# KiCad board EBAZ4205.kicad_pcb (continued)
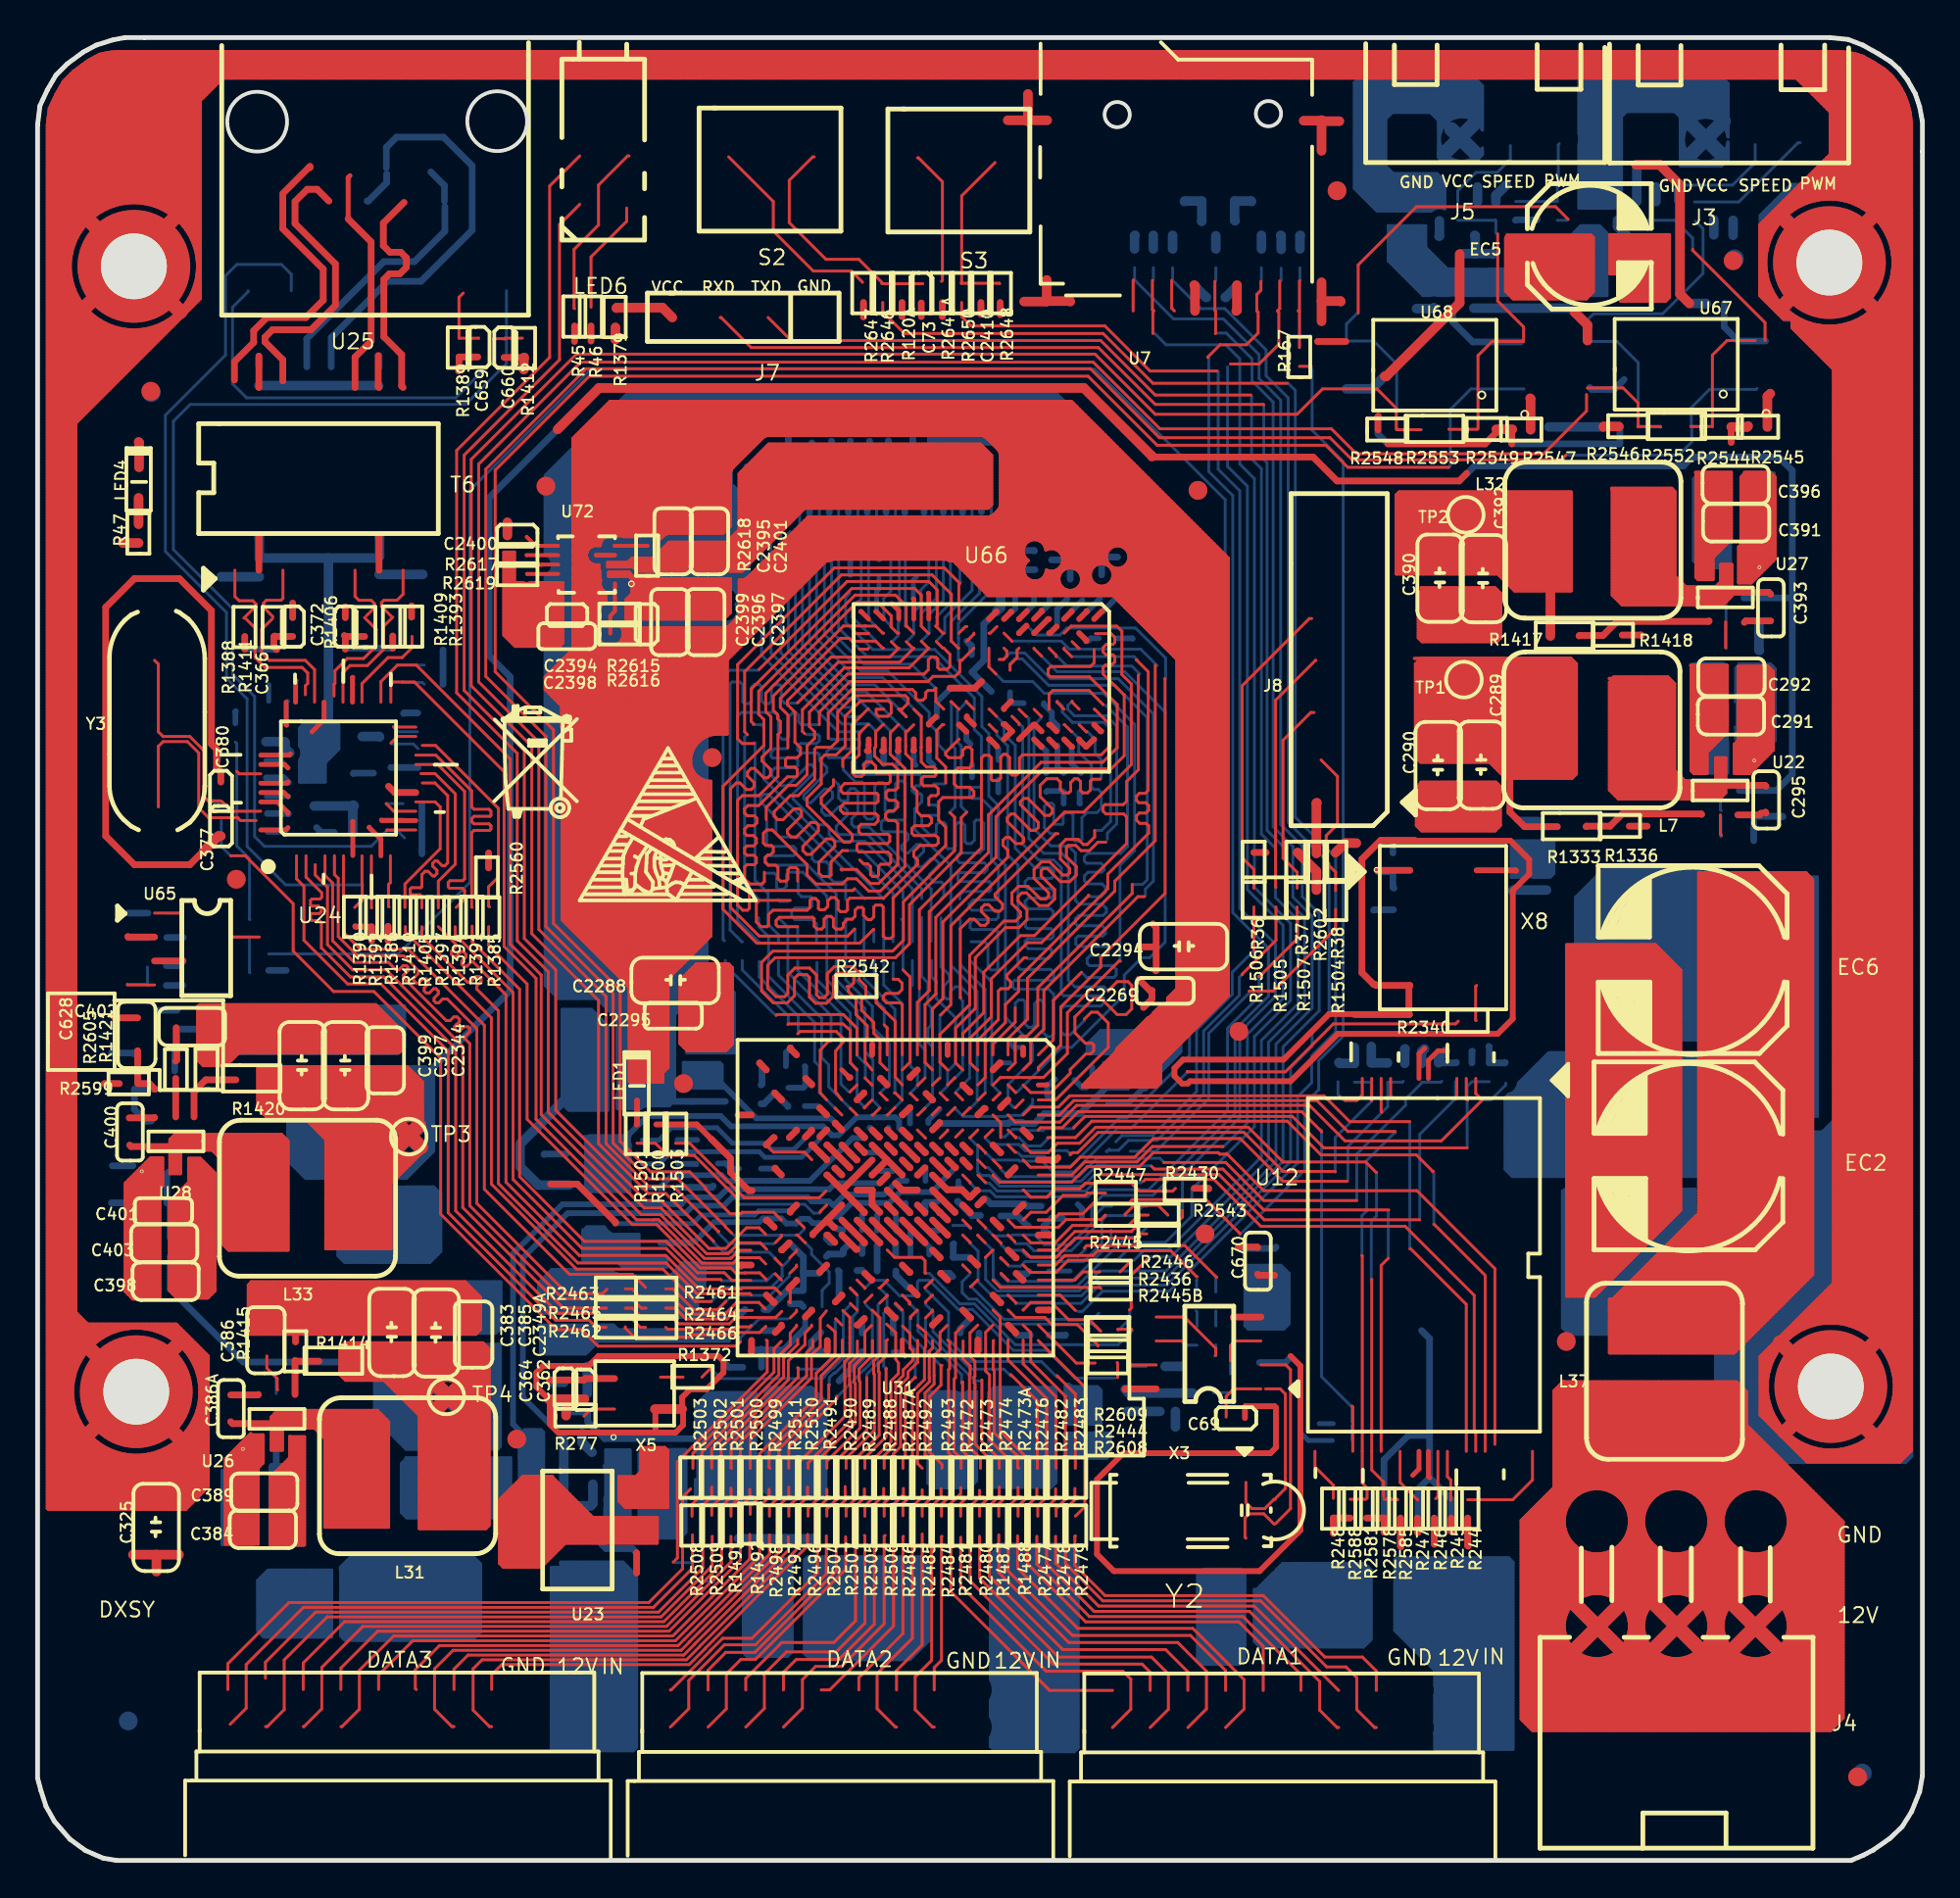
[diagram p0: board, top side]
## Routing (per net, layer and track width the routed paths; a pad name or vN(x,y) marks a point on that pad's centre or on a via; arc(x,y) is an arc through that point) (continued)
52.04,29.26 ; 62.08,6.75 62.35,6.75 ; 37.37,35.2 50.01,35.2 ; 68.3,51.96 68.3,55.4 ; 84.04,75.81 84.04,78.16 ; 44.16,30.88 46.3,30.88 ; 15.01,8.78 15.27,8.78 ; 71.09,64.67 71.09,65.66 ; 40.64,44.34 44.68,44.34 ; 66.77,7.88 66.77,8.24 ; 55.98,45.06 55.98,50.98 ; 67.89,8.4 68.57,8.4 ; 28.67,89.06 28.67,89.81 ; 71.34,69.49 72.24,69.49 ; 4.24,0.91 79.68,0.91 ; 71.34,79.17 71.34,87.89 ; 21.94,84.12 21.94,87.44 ; 41.93,38.25 43.65,38.25 ; 47.09,42.02 47.09,46.04 ; 76.42,73.95 76.42,82.8 ; 57.36,46.38 64.09,46.38 ; 74.17,7.13 74.32,7.13 ; 46.83,38.67 46.83,40.02 ; 1.9,7.26 9.21,7.26 ; 51.91,30.03 51.91,30.87 ; 53.04,23.39 60.31,23.39 ; 68.93,36.27 68.93,9.93 67.53,9.93 67.53,13.27 ; 40.27,9.8 41.12,9.8 ; 77.69,0.52 77.69,61.24 ; 62.58,35.45 69.98,35.45 ; 55.72,51.71 55.72,59.69 ; 51.15,91.58 51.15,94.45 ; 40.41,31.26 41.18,31.26 ; 48.46,81.94 77.28,81.94 ; 26.69,7.89 27.66,7.89 ; 9.92,18.69 79.61,18.69 ; 33.37,0.54 33.37,6.22 ; 11.78,7.98 11.78,8.24 ; 49.24,37.61 50.06,37.61 ; 73.75,34.44 80.7,34.44 ; 41.24,91.65 41.24,95.5 ; 26.46,6.24 27.89,6.24 ; 65.63,19.81 65.63,30.81 ; 53,66.31 54.68,66.31 ; 17.24,76.56 17.24,87.44 ; 19.65,15.87 19.65,37.63 ; 48.48,65.25 48.48,72.13 ; 40.62,7.13 40.77,7.13 ; 10.12,24.15 21.1,24.15 ; 77.57,61.87 77.57,81.65 ; 58.77,64.21 58.77,86.37 ; 21.32,72.92 37.56,72.92 ; 2.89,46.76 4.4,46.76 ; 42.64,53.13 42.64,57.26 ; 1.91,10.69 79.64,10.69 ; 46.79,87.4 51.33,87.4 ; 41.63,8.02 41.63,8.15 ; 44.92,59.84 45.11,59.84 ; 56.77,36.22 58.47,36.22 ; 48.99,34.81 48.99,36.51 ; 73.25,0.53 73.25,6.15 ; 22.02,89.17 34.51,89.17 ; 37.73,90.44 40.37,90.44 ; 48.57,72.54 48.83,72.54 ; 39.72,33.15 39.72,34.25 ; 52.14,63.39 58.34,63.39 ; 41.12,7.82 41.12,8.35 ; 48.23,40.4 48.23,40.51 ; 68.68,72.21 68.68,96.01 ; 47.96,61.23 50.82,61.23 ; 71.6,17.87 71.6,31.77 59.35,31.77 ; 40.39,43.45 41.87,43.45 ; 40.41,34.56 41.24,34.56 ; 52.96,61.11 53.09,61.11 ; 43.91,9.98 43.91,25.37 ; 49.6,74.7 49.88,74.7 ; 39.49,31.01 39.79,31.01 ; 44.8,75.01 44.8,86.88 ; 59.62,83.84 60.05,83.84 ; 21.32,73.43 37.42,73.43 ; 70.58,57.23 70.58,57.91 ; 71.85,0.53 71.85,6.38 ; 47.85,61.24 47.85,62.01 ; 53.82,69.6 53.82,87.4 61.58,87.4 ; 4.54,49.47 4.54,50.13 ; 43.53,61.76 43.53,64.17 ; 77.69,61.23 93.11,61.23 ; 44.17,82.48 44.17,87.75 ; 13.56,60.67 13.56,70.75 ; 17.37,7.63 17.37,8.6 ; 49.14,34.69 49.3,34.69 ; 18.25,88.92 18.88,88.92 ; 49.5,34.85 49.5,35.74 ; 3.33,75.2 8.27,75.2 ; 39.47,45.33 39.47,81.41 ; 8.86,34.68 8.86,56.06 ; 62.95,81.55 77.66,81.55 ; 2.85,59.58 18.42,59.58 ; 61.31,9.97 61.31,27.25 ; 48.42,39.14 54.77,39.14 ; 13.97,84.35 22.2,84.35 ; 74.39,9.4 74.39,20.14 ; 69.82,36.53 69.82,40.17 ; 47.98,32.48 47.98,33.27 ; 72.08,8.66 72.4,8.66 ; 21.81,0.54 21.81,6.26 ; 45.18,41.84 45.18,44.1 ; 13.07,25.42 21.34,25.42 ; 50.9,61.27 50.9,62.77 ; 18.38,39.97 18.38,40.23 ; 55.38,61.49 56.31,61.49 ; 64.41,47.39 64.78,47.39 ; 68.42,23.58 68.42,38.39 ; 86.99,50.06 87.23,50.06 ; 57.79,43.71 77.13,43.71 ; 73.77,82.57 76.65,82.57 ; 48.64,9.04 48.79,9.04 ; 62.27,87.02 72.21,87.02 ; 73.25,8 73.25,8.12 ; 1.88,4.21 79.67,4.21 ; 86.96,51.17 86.96,51.64 ; 46.02,40.03 46.83,40.03 ; 2.94,74.82 8.27,74.82 ; 20.8,7.79 20.8,8.43 ; 49.25,68.33 49.25,72.01 ; 12.12,83.46 12.58,83.46 ; 46.5,6.62 46.92,6.62 ; 41.38,75.08 41.82,75.08 ; 68.05,7.51 68.42,7.51 ; 67.63,14.12 79.63,14.12 ; 38.58,83 38.58,95.78 ; 68.15,79.4 79.82,79.4 ; 30.32,0.54 30.32,33.12 ; 49.15,38.25 49.31,38.25 ; 52.17,9.89 52.17,22.29 ; 60.8,23.38 60.8,27.2 ; 15.01,9.42 15.27,9.42 ; 49.5,72.66 49.5,74.54 ; 36.29,46.56 36.29,66.38 ; 56.48,7.67 56.48,8.46 ; 44.01,64.79 44.24,64.79 ; 57.25,22.68 57.25,25.38 ; 1.92,12.47 40.71,12.47 ; 26.26,93.08 26.26,96.32 ; 32.23,21.1 32.23,21.58 ; 56.61,44.22 57.18,44.22 ; 2.86,56.79 12.97,56.79 ; 84.68,53 84.68,78.16 ; 49.5,37.28 49.5,38.1 ; 39.51,31.52 39.68,31.52 ; 55.98,22.12 55.98,22.27 ; 63.47,26.99 63.47,79.23 ; 35.53,82.6 35.53,86.72 ; 47.39,65.04 47.47,65.04 ; 49.88,33.99 49.88,34.18 ; 38.59,9.29 38.79,9.29 ; 44.04,26.08 44.04,28.46 ; 37.05,33.8 40.43,33.8 ; 64.23,47.52 64.23,77.81 ; 58.9,63.77 59.11,63.77 ; 67.15,0.53 67.15,6.15 ; 9.28,86.25 58.09,86.25 ; 45.11,36.34 45.39,36.34 ; 67.66,79.9 67.66,95.9 ; 10.12,28.34 51.76,28.34 ; 57.25,21.99 79.6,21.99 ; 71.46,58.57 93.12,58.57 ; 70.96,72.34 70.96,76.81 ; 50.01,32.97 50.01,33.51 ; 35.4,89.57 35.4,96.11 ; 45.56,30.03 45.56,32.51 ; 2.38,2.81 2.38,17.47 ; 48.23,61.02 48.23,62.17 ; 51.4,91.6 51.4,94.43 ; 4.03,29.37 4.03,75.91 ; 2.82,67.46 33.28,67.46 ; 73.12,72.77 73.12,82.3 ; 47.11,61.23 47.79,61.23 ; 56.87,36.65 56.87,37.47 ; 48.23,38.79 48.23,38.92 ; 50.01,34.56 60.53,34.56 ; 44.29,37.94 44.29,38.16 ; 70.2,24.48 70.2,31.92 ; 67.66,59.66 67.66,60.54 ; 9.44,29.1 39.65,29.1 ; 83.66,76.09 91.72,76.09 ; 56.84,68.09 67.76,68.09 ; 27.53,9.77 27.53,25.32 ; 28.42,27.59 28.42,42.76 ; 9.28,87.27 28.56,87.27 ; 89.99,54.63 93.13,54.63 ; 40.48,7.59 40.48,8.59 ; 48.23,0.53 48.23,6.33 ; 74.65,7.78 74.65,8.35 ; 70.88,59.71 88.14,59.71 ; 68.17,23.64 68.17,38.41 ; 54.83,59.64 54.83,59.73 ; 71.35,64.41 89.46,64.41 ; 36.7,42.95 39.8,42.95 ; 53.82,88.79 70.44,88.79 ; 16.76,64.54 18.51,64.54 ; 56.61,61.91 56.61,66.11 ; 19.82,40.66 29.07,40.66 ; 33.75,0.54 33.75,6.18 ; 4.94,50.06 7.48,50.06 ; 9.3,95.52 40.97,95.52 ; 31.07,81.17 58.97,81.17 ; 41.78,89.81 46.29,89.81 ; 67.63,15.77 79.62,15.77 ; 52.8,66.86 52.8,68.42 ; 68.61,62.12 70.04,62.12 ; 9.88,8.02 9.88,8.21 ; 57.71,8.28 58.7,8.28 ; 68.68,67.14 68.68,68.26 ; 44.99,41.17 45.37,41.17 ; 47.98,82.53 47.98,94.79 ; 39.47,41.16 39.47,44.62 ; 72.87,43.58 72.87,68.49 ; 18.93,6.62 19.37,6.62 ; 58.07,7.39 58.33,7.39 ; 58.56,32.15 58.66,32.15 ; 86.2,39.84 86.2,78.15 ; 39.78,82.32 40.52,82.32 ; 76.81,62.63 87.98,62.63 ; 46.45,0.54 46.45,6.54 ; 23.85,94.34 23.85,96.32 ; 36.8,7.37 36.8,8.8 ; 50.13,38.77 50.13,39.76 ; 56.23,36.79 56.23,43.53 ; 60.29,0.53 60.29,6.93 ; 55.29,37.49 56.8,37.49 ; 70.58,7.73 70.58,8.4 ; 37.26,24.53 42.17,24.53 ; 48.69,58.82 67.15,58.82 ; 38.33,8.4 39.05,8.4 ; 11.05,7.13 11.2,7.13 ; 40.1,72.77 40.1,74.41 ; 59.91,17.78 59.91,19.42 ; 26,20.36 26,64.65 ; 20.16,89.06 20.16,89.28 ; 10.13,53.85 10.13,70.75 ; 8.99,56.72 8.99,70.75 ; 66.54,86.51 66.81,86.51 ; 47.52,38.76 47.78,38.76 ; 21.31,90.7 21.31,96.32 ; 23.03,8.78 23.29,8.78 ; 17.62,89.25 17.62,96.32 ; 83.03,51.94 83.03,76.04 ; 45.56,66.02 45.56,86.67 ; 4.92,50.8 4.92,76.8 ; 63.17,79.27 63.28,79.27 ; 71.09,77.17 71.09,88.14 ; 9.07,17.8 12.9,17.8 ; 39.21,72.71 39.21,74.47 ; 10.64,7.9 10.64,8.33 ; 50.77,63.47 50.77,65.4 ; 2.82,69.62 52.67,69.62 ; 62.34,87.27 71.96,87.27 ; 56.16,64.66 67.55,64.66 ; 39.46,41.17 42.87,41.17 ; 11.04,7.26 11.21,7.26 ; 66.4,18.18 79.61,18.18 ; 19.65,14.58 19.65,15.17 ; 50.6,7.39 50.84,7.39 ; 56.28,51.2 58.52,51.2 ; 19.78,64 19.78,70.75 ; 12.08,83.84 12.62,83.84 ; 73.38,9.97 73.38,17.06 ; 50.54,72.66 72.18,72.66 ; 49.35,64.16 50.86,64.16 ; 88.74,73.69 88.74,78.13 ; 11.91,94.41 11.91,96.32 ; 55.6,45.15 55.6,46.88 ; 51.13,66.06 52.49,66.06 ; 29.18,40.77 29.18,41.1 ; 2.5,2.69 79.67,2.69 ; 9.28,88.03 14.59,88.03 ; 56.13,51.71 57.94,51.71 ; 2.82,68.47 52.75,68.47 ; 44.89,49.55 59.09,49.55 ; 34.77,7.26 34.77,8.91 ; 62.2,87.55 62.2,94.96 ; 10.51,76.56 10.51,82.93 ; 18.96,54.76 53.92,54.76 ; 16.14,64.79 12.92,64.79 12.92,70.75 ; 21.08,7.13 21.23,7.13 ; 9.03,31.26 36.3,31.26 ; 45.05,44.87 45.05,58.67 ; 2.85,60.22 12.91,60.22 ; 19.02,15.75 19.02,38.1 ; 68.58,69.74 70.07,69.74 ; 61.11,34.95 69.85,34.95 ; 55.41,66.57 56.26,66.57 ; 43.81,8.02 45.6,8.02 ; 48.54,7.51 48.89,7.51 ; 71.5,63.9 93.1,63.9 ; 34.39,82.82 34.39,87.26 ; 87.85,51.96 93.14,51.96 ; 35.53,68.04 35.53,81.65 ; 73.38,71.26 73.38,71.43 ; 55.09,64.44 55.09,66.11 ; 64.49,78.38 64.49,95.59 ; 74.1,9.42 74.4,9.42 ; 18.82,56.54 47.27,56.54 ; 74.01,8.53 74.48,8.53 ; 78.33,0.52 78.33,52.49 ; 50.8,32.28 50.91,32.28 ; 49.88,32.38 49.88,32.58 ; 47.55,40.28 47.66,40.28 ; 29.69,33.67 29.69,40.18 ; 47.47,9.97 47.47,28.55 ; 51.52,42.18 60.83,42.18 ; 1.89,7.13 9.2,7.13 ; 89.65,69.87 93.09,69.87 ; 49.75,65.89 49.75,94.6 ; 54.33,69.11 57.19,69.11 ; 65.12,48.41 93.15,48.41 ; 10.64,53.49 42.81,53.49 ; 59.91,9.65 59.91,16.22 ; 38.61,9.16 38.77,9.16 ; 53.44,38.71 53.44,41.03 ; 61.25,34.82 69.95,34.82 ; 40.55,9.42 40.84,9.42 ; 13.05,84.36 13.05,91.27 ; 2.94,33.17 8.28,33.17 ; 62.07,87.62 62.07,94.92 ; 39.44,74.82 39.68,74.82 ; 45.44,0.54 45.44,6.21 ; 42.4,6.5 43,6.5 ; 18.51,76.56 18.51,80.02 ; 41.48,74.7 41.75,74.7 ; 68.57,23.39 79.59,23.39 ; 40.36,72.62 40.36,74.52 ; 61.9,9.67 62.53,9.67 ; 68.97,66.7 69.68,66.7 ; 35.91,9.97 35.91,23.41 ; 25.37,9.57 25.37,64.6 ; 44.62,8.91 44.8,8.91 ; 44.17,8.28 45.24,8.28 ; 7.34,46.63 7.34,50.16 ; 61.17,19.96 79.61,19.96 ; 40.76,61.87 48.28,61.87 ; 37.23,36.6 42.95,36.6 ; 25.04,9.42 25.3,9.42 ; 42.77,25.01 42.77,28.59 ; 39.73,8.15 41.65,8.15 ; 66.52,16.19 66.52,29.14 ; 87.85,41.46 87.85,78.14 ; 78.96,52.94 78.96,55.07 ; 13.02,6.88 13.24,6.88 ; 73.88,36.71 73.88,60.49 ; 48.23,56 48.23,56.97 ; 56.82,43.96 57.09,43.96 ; 69.57,9.92 69.57,24.09 ; 49.19,40.66 50.08,40.66 ; 58.38,92.73 64.58,92.73 ; 51.02,64.29 51.02,65.28 ; 67.15,69.06 67.15,71.4 ; 57.75,7.82 57.75,8.31 ; 18.62,89.17 19.22,89.17 ; 69.96,6.5 70.51,6.5 ; 72.99,71.29 72.99,71.4 ; 68.3,23.63 68.3,38.38 ; 9.29,92.22 9.84,92.22 ; 18.02,15.64 18.35,15.64 ; 50.43,9.67 51.01,9.67 ; 58.94,62.89 59.61,62.89 ; 87.82,50.82 93.14,50.82 ; 13.69,17.34 13.69,17.55 ; 27.19,19.83 33.01,19.83 ; 49.37,32.38 49.37,32.57 ; 9.27,82.44 32.9,82.44 ; 34.64,89.29 34.64,96.19 ; 42.62,9.04 42.78,9.04 ; 49.95,33.42 50.15,33.42 ; 36.95,67.46 46.35,67.46 ; 9.27,81.55 33.04,81.55 ; 49.24,40.91 50.04,40.91 ; 57.12,8 57.12,8.13 ; 71.12,68.22 93.09,68.22 ; 57.75,38.37 62.95,38.37 ; 53.08,21.99 55.9,21.99 ; 58.4,28.98 79.57,28.98 ; 57.58,43.58 69.83,43.58 ; 8.48,76.56 8.48,80.34 ; 48.23,65.01 48.23,65.54 ; 29.13,27.33 37.12,27.33 ; 1.88,5.1 79.66,5.1 ; 6.07,41.4 6.07,45.17 ; 47.98,66.02 47.98,72.08 ; 47.34,34.84 47.34,36.5 ; 10.41,6.24 11.84,6.24 ; 89.12,70.45 89.12,71.83 ; 57.75,9.8 58.66,9.8 ; 18.77,9.79 18.77,13.88 ; 66.77,78.91 66.77,83.97 66.48,83.97 ; 70.45,62.29 70.45,62.98 ; 14.91,59.84 18.65,59.84 ; 23.34,94.07 23.34,96.32 ; 2.86,56.41 8.74,56.41 ; 55.32,59.46 67.39,59.46 ; 50.9,7.52 50.9,8.66 ; 83.71,76.22 91.59,76.22 ; 57.5,9.93 57.5,24.95 ; 48.54,8.66 48.89,8.66 ; 7.53,79.4 62.4,79.4 ; 52.44,32.91 53.68,32.91 ; 33.51,21.36 79.6,21.36 ; 71.42,58.44 93.12,58.44 ; 10.26,93.76 10.26,96.32 ; 56.36,0.53 56.36,6.69 ; 37.18,7.88 37.18,8.3 ; 31.77,87.27 34.38,87.27 ; 37.31,9.92 37.31,24.68 ; 71.72,79.39 71.72,87.5 ; 28.16,91.35 28.16,96.32 ; 9.29,93.11 9.9,93.11 ; 73.63,34.49 73.63,60.56 ; 14.17,20.09 25.67,20.09 ; 1.9,8.53 9.39,8.53 ; 8.35,32.53 8.35,32.76 ; 11.91,0.55 11.91,6.22 ; 71.36,71.01 72.17,71.01 ; 72.87,9.9 72.87,32.19 ; 41.44,72.54 41.74,72.54 ; 89.66,70.38 93.09,70.38 ; 65.37,77.85 65.37,83.77 ; 1.87,3.45 79.67,3.45 ; 49.75,34.06 50.35,34.06 ; 58.98,47.01 59.3,47.01 ; 48.49,72.66 48.91,72.66 ; 68.34,22.88 79.59,22.88 ; 71.89,17.17 73.18,17.17 ; 9.29,92.6 9.82,92.6 ; 53.81,60.98 67.23,60.98 ; 67.91,72.41 67.91,79.16 ; 2.84,63.39 19.58,63.39 ; 47.43,40.53 47.79,40.53 ; 1.92,10.94 79.64,10.94 ; 71.49,66.57 93.1,66.57 ; 6.38,41.42 28.48,41.42 ; 58.6,83.84 59.03,83.84 ; 50.26,35.59 50.26,35.7 ; 22.83,9.74 22.83,23.97 ; 12,83.08 12.7,83.08 ; 57.88,29.56 57.88,31.76 ; 26.81,66.31 36.32,66.31 ; 28.92,43.33 36.06,43.33 ; 76.04,9.53 76.04,37.53 ; 58.01,93.69 58.01,93.93 ; 70.59,35.2 81.46,35.2 ; 26.39,0.54 26.39,6.22 ; 43.34,13.23 66.27,13.23 ; 42.64,89.57 42.64,95.35 ; 68.3,59.73 68.3,60.47 ; 60.26,36.98 68.83,36.98 ; 48.99,9.65 48.99,25.1 ; 48.36,75.16 48.36,81.84 ; 88.85,73.05 93.08,73.05 ; 49.25,7.9 49.25,8.28 ; 9.28,83.08 10.4,83.08 ; 25.88,83.58 25.88,91.36 ; 71.11,62.12 75.42,62.12 ; 44.55,30 44.55,30.15 ; 21.69,25.55 21.69,64.05 ; 70.71,40.71 70.71,50.54 ; 45.07,41.3 47.05,41.3 ; 19.18,59.58 37.58,59.58 ; 69,61.36 69.65,61.36 ; 50.9,0.53 50.9,6.68 ; 55.21,39.41 55.21,47.07 ; 45.11,58.69 46.51,58.69 ; 13.68,56.79 67.29,56.79 ; 78.33,75.77 78.33,80.89 ; 51.84,8.02 79.65,8.02 ; 14.96,89.09 14.96,89.31 ; 10.12,24.53 20.93,24.53 ; 68.04,59.76 68.04,60.44 ; 41.63,31.67 41.63,34.08 ; 61.03,20.72 73.89,20.72 ; 60.17,0.53 60.17,16.14 ; 30.93,81.3 33.35,81.3 ; 24.9,8.53 25.44,8.53 ; 66.01,9.54 66.01,14.39 ; 18.89,76.56 18.89,87.72 ; 28.93,27.72 28.93,40.95 ; 18.26,0.54 18.26,6.2 ; 51.28,66.78 51.28,87.5 ; 46.32,7.79 46.32,8.38 ; 69.97,7.64 70.5,7.64 ; 36.93,88.16 41.1,88.16 ; 76.04,74.22 76.04,83.18 ; 53.02,48.03 57.24,48.03 ; 36.26,43.84 40.09,43.84 ; 88.48,63.01 93.11,63.01 ; 17.5,76.56 17.5,87.4 ; 45.9,38.25 46.1,38.25 ; 76.93,0.53 76.93,40.09 ; 58.14,26.74 58.14,27.87 ; 36.67,30.14 36.67,30.62 ; 60.55,23.47 60.55,34.49 ; 37.67,91.08 40.43,91.08 ; 13.05,9.22 13.05,17.51 ; 71.72,76.73 91.07,76.73 ; 1.92,12.59 40.64,12.59 ; 58.52,52.24 58.52,62.75 ; 46.37,66.06 46.87,66.06 ; 53.46,68.6 56.27,68.6 ; 62.95,31.39 65.51,31.39 ; 46.48,72.16 46.84,72.16 ; 12.16,70.53 12.16,70.75 ; 47.31,65.17 47.57,65.17 ; 65.12,86.89 65.12,92.1 ; 51.99,26.18 54.16,26.18 ; 28.24,27.33 28.35,27.33 ; 57.86,8.4 58.54,8.4 ; 43.53,52.11 43.53,52.93 ; 73.76,61.26 73.76,82.5 ; 46.54,74.95 46.84,74.95 ; 38.45,82.95 38.45,95.79 ; 69.06,7.99 69.06,8.14 ; 49.37,30.8 49.37,31 ; 33.12,22.02 33.12,81.47 ; 43.62,52.09 57.88,52.09 ; 45.82,47.72 45.82,60.03 ; 18.81,55.14 38.48,55.14 ; 13.43,18.19 13.43,19.51 ; 74.77,9.85 74.77,42.76 ; 23.08,7.01 23.24,7.01 ; 24.78,8.4 25.56,8.4 ; 58.26,86.87 58.26,92.43 ; 40.61,38.81 40.61,43.64 ; 42.26,60.07 42.26,72.02 ; 9.06,30.75 36,30.75 ; 50.77,61.2 50.77,62.83 ; 45.31,66.06 45.31,72.04 ; 70.07,69.75 70.07,70.72 ; 1.94,15.26 17.34,15.26 ; 21.43,7.7 21.43,8.52 ; 28.93,91.65 28.93,96.32 ; 36.93,7.63 36.93,8.54 ; 55.97,59.71 56.54,59.71 ; 58.01,26.73 58.01,27.92 ; 39.85,44.89 39.85,50.76 ; 36.26,26.31 40.07,26.31 ; 89.63,54.97 89.63,64.21 ; 70.71,7.84 70.71,8.29 ; 66.14,0.53 66.14,6.92 ; 59.02,50.07 59.02,50.93 ; 20.06,87.52 21.18,87.52 ; 32.35,0.54 32.35,20.75 ; 57.96,48.03 93.15,48.03 ; 14.7,60.46 14.7,70.75 ; 48.48,56.16 48.48,56.99 ; 59.41,47.73 59.41,49.46 ; 47.98,26.71 47.98,31.72 ; 66.39,79 66.39,83.81 ; 9.29,88.92 14.76,88.92 ; 89.49,61.87 93.11,61.87 ; 76.17,8.91 79.65,8.91 ; 49.78,61.74 51.41,61.74 ; 56.99,46.67 56.99,53.82 ; 67.61,15.9 79.62,15.9 ; 57.74,32.02 57.84,32.02 ; 14.2,19.71 25.75,19.71 ; 18.43,70.75 21.32,70.75 21.32,76.56 8.27,76.56 8.27,70.75 11.52,70.75 ; 57.75,69.65 57.75,92.03 ; 40.4,43.07 48.25,43.07 ; 49.24,37.74 50.06,37.74 ; 71.39,30.88 79.56,30.88 ; 41.97,31.26 43.63,31.26 ; 51.91,45.75 51.91,60.51 ; 48.41,45.23 51.66,45.23 51.66,40.91 ; 55.34,68.22 56.29,68.22 ; 27.66,7.89 27.66,8.33 ; 51.66,38.55 51.66,39.93 ; 51.41,66.57 52.26,66.57 ; 18.8,54.5 53.93,54.5 ; 59.15,9.98 59.15,31.59 ; 40.99,33.98 40.99,38.13 ; 39.44,72.28 39.67,72.28 ; 39.72,59.56 39.72,72.16 ; 67.03,14.43 67.03,14.77 ; 48.94,55.77 49.06,55.77 ; 65.86,92.1 69.89,92.1 ; 52.22,29.99 79.57,29.99 ; 6.84,45.23 35.51,45.23 ; 68.85,66.95 69.8,66.95 ; 68.92,63.52 69.73,63.52 ; 42.39,52.9 42.39,57.13 ; 14.96,9.54 14.96,59.91 ; 51.21,66.82 52.42,66.82 ; 52.17,7.92 52.17,8.26 ; 41.88,43.81 41.88,59.38 ; 77.31,61.89 77.31,81.9 ; 57.29,54.12 69.78,54.12 ; 58.53,37.74 62.78,37.74 ; 12.16,80.16 17.74,80.16 ; 10.51,61.57 10.51,70.75 ; 67.79,59.72 67.79,60.48 ; 46.54,7.51 46.88,7.51 ; 48.86,68.31 48.86,72.19 ; 40.43,51.2 55.57,51.2 ; 42.13,29.06 42.13,32.64 ; 54.46,55.01 55.9,55.01 ; 68.86,65.93 69.79,65.93 ; 37.82,27.43 37.82,59.21 ; 42.8,32.79 43.62,32.79 ; 45.56,65.24 45.56,65.33 ; 72.36,9.33 72.36,38.42 ; 1.89,6.24 9.84,6.24 ; 32.99,21.95 32.99,81.63 ; 64.74,0.53 64.74,6.28 ; 58.72,84.09 58.93,84.09 ; 71.97,7.64 72.51,7.64 ; 48.61,40.4 48.61,40.54 ; 73.62,69.49 93.09,69.49 ; 35.66,38.74 35.66,43.65 ; 71.72,17.86 71.72,31.69 ; 73.79,27.83 79.58,27.83 ; 66.9,14.36 66.9,14.88 ; 26.98,8.66 27.36,8.66 ; 51.15,41.24 51.15,42.06 ; 67.28,66.91 67.28,68.49 ; 41.63,13.09 41.63,30.88 ; 19.27,89.2 19.27,89.51 ; 36.23,32.79 38.79,32.79 ; 61.18,88.66 61.18,94.62 ; 49.88,34.77 49.88,35.78 ; 65.5,14.98 65.5,17.48 ; 69.44,40.84 69.44,96.08 ; 19.65,39.52 42.16,39.52 ; 21.18,0.54 21.18,24.06 ; 62.45,79.5 62.45,79.65 62.65,79.65 ; 19.27,40.76 19.27,60.13 ; 71.16,50.19 93.14,50.19 ; 57.25,32.33 57.25,37.59 ; 65.64,77.49 90.3,77.49 ; 38.52,59.46 39.61,59.46 ; 71.72,40.16 71.72,75.03 ; 14.98,59.96 18.87,59.96 ; 7.72,46.97 7.72,50.04 ; 24.19,24.79 35.43,24.79 ; 50.26,38.86 50.26,39.67 ; 15.34,7.59 15.34,8.64 ; 70.84,59.72 70.84,60.48 ; 68.68,38.95 68.68,55.59 ; 66.01,93.78 66.01,95.74 ; 48.99,64.92 51.46,64.92 ; 26.89,25.79 26.89,26.96 ; 9.28,86.89 34.83,86.89 ; 2.84,62.63 19.04,62.63 ; 56.36,36.87 56.36,43.48 ; 66.64,78.99 66.64,95.8 ; 18.51,55.71 18.51,55.86 ; 48.99,38.87 48.99,39.72 ; 50.62,74.95 80.96,74.95 ; 11.15,76.56 11.15,82.62 ; 59.66,63.97 59.66,81.03 ; 40.06,9.93 41.33,9.93 ; 73.12,69.78 73.12,69.91 ; 72.61,38.95 72.61,40.22 ; 11.91,10 11.91,70.08 ; 51.57,41.04 51.69,41.04 ; 65.87,15.01 66.18,15.01 ; 48.23,65.55 49.05,65.55 ; 13.46,91.97 22.69,91.97 ; 1.9,8.15 33.63,8.15 ; 66.3,93.49 69.88,93.49 ; 73.41,39.39 85.74,39.39 ; 60.72,83.97 61.17,83.97 ; 49.63,29.24 49.63,30.13 ; 30.96,91.49 30.96,96.32 ; 16.98,7.51 17.3,7.51 ; 58.26,47.1 58.26,48.42 ; 41.11,33.17 42.14,33.17 ; 39.46,40.53 44.56,40.53 ; 48.66,57.55 56.16,57.55 ; 43.29,42.06 51.2,42.06 ; 49.5,56.19 49.5,59.69 ; 17.37,15.72 17.37,51.54 ; 25.32,82.7 33.04,82.7 ; 14.4,83.33 21.77,83.33 ; 21.43,89.68 46.57,89.68 ; 52.44,23.9 69.67,23.9 ; 21.94,10 21.94,23.81 ; 16.99,55.63 16.99,70.75 ; 45.82,60.12 45.82,64.83 ; 57.86,25.8 79.58,25.8 ; 45.44,47.28 45.44,59.68 ; 1.92,11.45 79.64,11.45 ; 66.39,19.61 66.39,29.12 ; 41.24,13.04 41.24,31.06 ; 44.41,72.16 44.84,72.16 ; 41.75,59.95 41.75,60.09 ; 1.94,15.01 17.77,15.01 ; 53.31,59.63 53.31,60.52 ; 5.18,29.37 5.18,49.06 ; 74.65,0.53 74.65,6.37 ; 58.75,47.26 59.12,47.26 ; 27.66,27.69 27.66,35.83 ; 74.02,28.34 79.57,28.34 ; 49.95,40.28 50.12,40.28 ; 43.28,0.54 43.28,6.28 ; 48.94,62.38 50.1,62.38 ; 12.16,70.38 17.79,70.38 ; 42.9,53.12 42.9,53.41 ; 37.54,90.06 40.56,90.06 ; 21.81,25.55 21.81,64.11 ; 51.56,26.18 48.48,26.18 48.48,9.59 ; 12.86,9.67 13.41,9.67 ; 27.4,25.93 27.4,27.11 ; 67.58,15.26 79.62,15.26 ; 60.17,63.23 60.17,83.75 ; 1.93,13.74 42.02,13.74 ; 70.58,0.53 70.58,6.42 ; 60.8,20.94 60.8,22.77 ; 70.45,82.73 70.45,88.78 ; 60.13,62.5 75.13,62.5 ; 46.07,61.24 46.07,64.51 ; 8.68,80.54 28.33,80.54 ; 14.54,89.17 15.1,89.17 ; 37.3,24.66 42.13,24.66 ; 17.1,90.83 17.98,90.83 ; 13.56,20.14 13.56,47.17 ; 44.9,47.01 45.15,47.01 ; 24.03,26.31 35.49,26.31 ; 51.79,10 51.79,22.39 ; 44.29,30.01 44.29,30.27 ; 67.47,83.84 75.38,83.84 ; 9.28,83.97 10.37,83.97 ; 58.9,32.33 58.9,35.71 ; 65.37,14.85 65.37,17.66 ; 58.77,45.79 58.77,46.54 ; 38.96,41.14 38.96,44.78 ; 48.86,64.21 48.86,64.58 ; 2.92,39.26 19.37,39.26 ; 28.95,7.64 32.92,7.64 ; 13.3,20.23 13.3,46.99 ; 76.42,61.8 76.42,62.09 ; 22.58,88.39 22.58,96.32 ; 75.58,17.29 79.62,17.29 ; 25.85,83.33 75.89,83.33 ; 39.97,43.64 39.97,44.11 ; 40.83,52.22 57.96,52.22 ; 68.96,56.03 69.65,56.03 ; 55.98,32.98 55.98,44.49 ; 43.5,74.7 43.78,74.7 ; 46.42,72.66 46.86,72.66 ; 62.2,36.12 62.2,79.61 ; 85.44,52.03 85.44,78.15 ; 71.47,71.74 71.47,75.3 ; 66.41,19.58 79.61,19.58 ; 48.17,61.11 50.69,61.11 ; 77.6,43.2 89.62,43.2 ; 35.78,8.02 35.78,8.15 ; 70.81,67.33 93.1,67.33 ; 53.52,89.17 70.06,89.17 ; 55.34,37.61 56.64,37.61 ; 66.26,93.54 66.26,95.76 ; 17.42,90.32 17.66,90.32 ; 66.09,6.75 66.36,6.75 ; 66.01,19.87 66.01,30.13 ; 55.92,47.14 58.29,47.14 ; 46.04,36.09 49.26,36.09 ; 39.09,75.22 39.09,81.22 ; 19.27,0.54 19.27,6.83 ; 47.48,38.25 47.69,38.25 ; 42.62,7.13 42.78,7.13 ; 56.74,61.92 56.74,66.12 ; 73.12,9.97 73.12,17.23 ; 71.5,55.52 78.37,55.52 ; 68.93,56.66 68.93,58.47 ; 71.09,67.21 71.09,68.19 ; 44.55,66.86 44.55,87.08 ; 6.13,78 64.18,78 ; 61.06,34.97 61.06,41.62 ; 59.44,86.89 60.33,86.89 ; 76.83,62.76 88.01,62.76 ; 8.73,0.55 8.73,17.52 ; 22.63,24.4 22.85,24.4 ; 59.02,81.5 59.02,83.85 ; 1.94,15.64 17.32,15.64 ; 70.71,64.82 70.71,65.52 ; 16.1,8.05 16.1,8.17 ; 56.61,60.49 56.61,61.14 ; 59.71,94.13 69.87,94.13 ; 7.94,50.19 59.14,50.19 ; 29.71,91.08 30.62,91.08 ; 40.86,82.86 40.86,89.81 ; 45.44,34.84 45.44,35.72 